# Altium PCB IOBoard2020.PcbDoc (part 1 of 2) (continued)
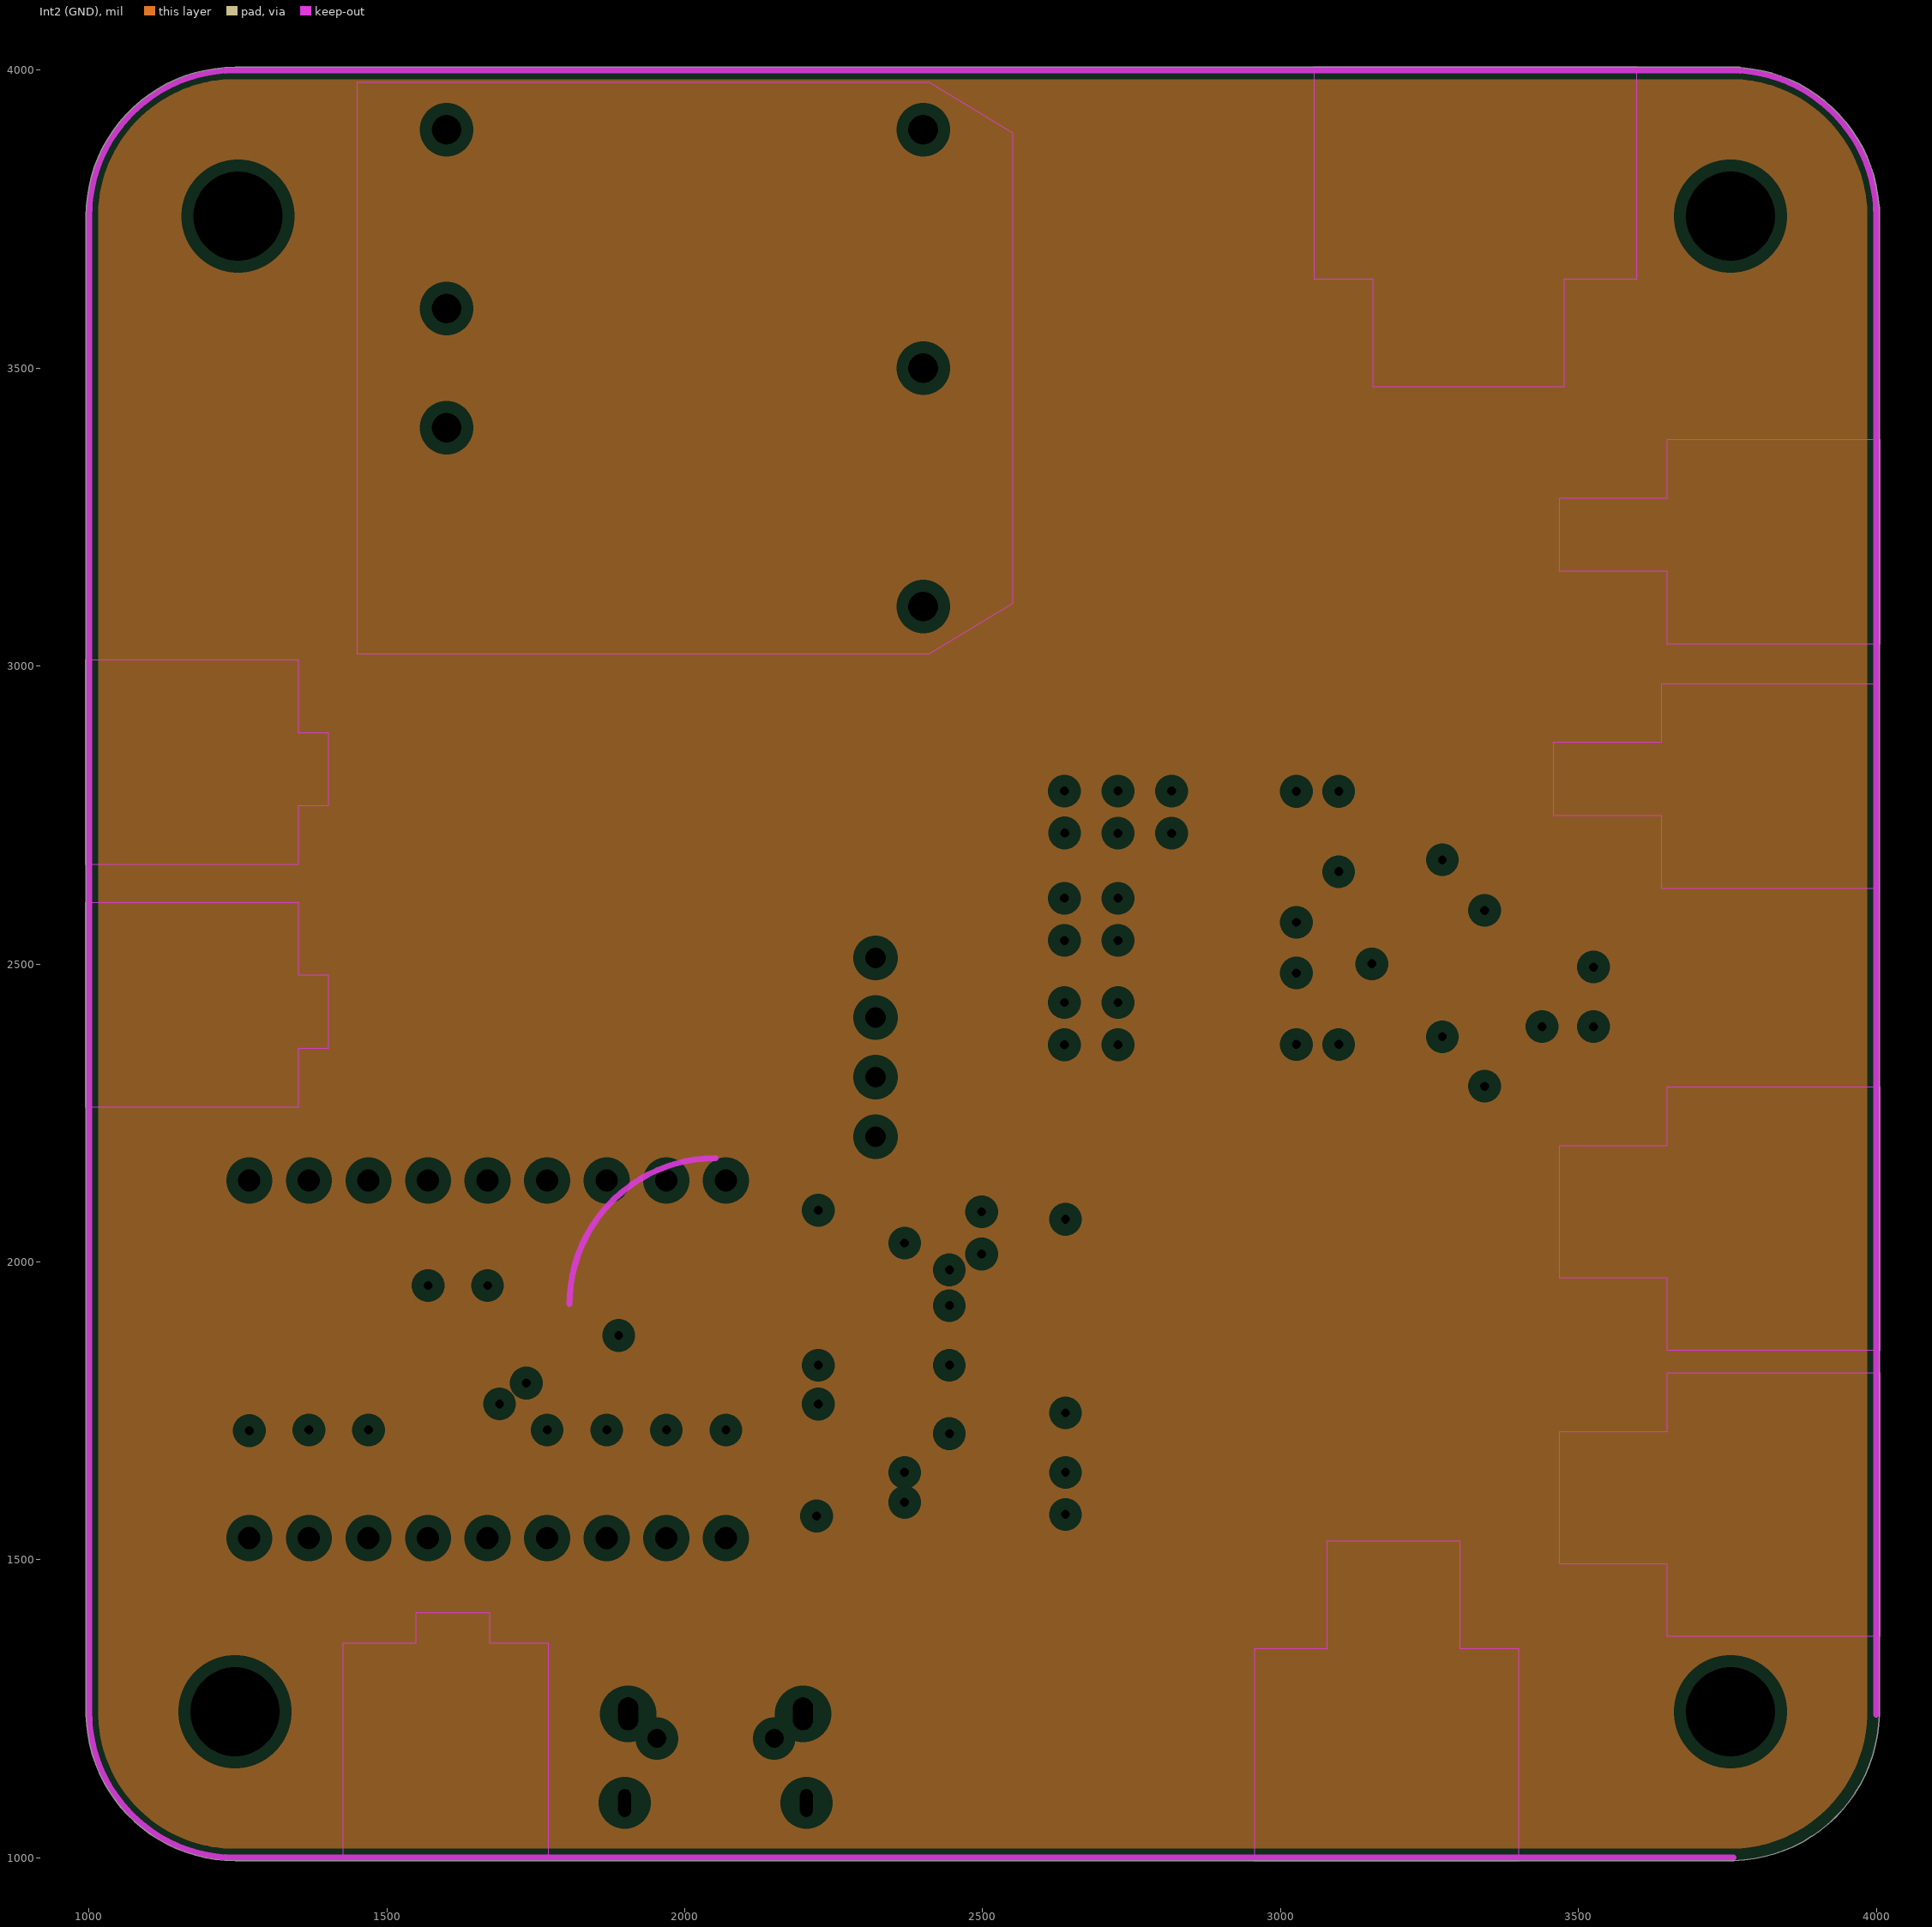
[diagram p3: Int2 (GND), clearances drawn from the general rule]

## Layer stack, top to bottom
Top Solder: solder mask 1, SM-001, Dk 4
Top Layer: signal copper 1.378
Dielectric 1: prepreg 5.1, PP-017, Dk 4.3
Dielectric 2: prepreg 5.1, PP-017, Dk 4.3
Int1 (PWR): plane copper 1.378
Dielectric 3: core 28, Core-039, Dk 4.8
Int2 (GND): plane copper 1.378
Dielectric 4: prepreg 5.1, PP-017, Dk 4.3
Dielectric 5: prepreg 5.1, PP-017, Dk 4.3
Bottom Layer: signal copper 1.378
Bottom Solder: solder mask 1, SM-001, Dk 4

## Board outline
995.05,1239.17 cw(c1000,1240) 994.98,1240 994.98,3754 cw(c1000,3754) 995.01,3754.5 cw(c1000,3755) 994.99,3755 cw(c1245,3755) 1245,4005.01 cw(c1245,4000) 1245.06,4005.01 3754.96,4005.01 3770,4005.01 cw(c3770,4000) 3772.39,4004.41 cw(c3755,3755) 4004.41,3772.39 cw(c4000,3770) 4005.01,3770 4005.01,3754.97 ccw(c4000,3755) 4005.01,3755 ccw(c3755,3755) 4005.01,3755.22 4005.01,3754.97 4005.01,1245.04 cw(c4000,1245) 4005.01,1245 cw(c3755,1245) 4005.01,1244.68 4005.01,1240 cw(c4000,1240) 4004.95,1239.18 cw(c3755,1245) 3760.82,995.05 cw(c3760,1000) 3760,994.98 1245,994.98 cw(c1245,1000) 1244.95,994.99 cw(c1245,1245)

## Design rules (kind name [scope] priority, off if disabled: settings)
Clearance [All] p1: gap=8 ignorepadtopadclearanceinfootprint=TRUE
DiffPairsRouting [All] p1: maxlimit=10 minlimit=10 mostfreqgap=10 toplayer_minwidth=10 toplayer_maxwidth=15 toplayer_prefwidth=10 bottomlayer_minwidth=10 bottomlayer_maxwidth=15 bottomlayer_prefwidth=10 maxuncoupledlength=500
HoleSize [All] p1: absolutevalues=TRUE maxlimit=250 minlimit=1 maxpercent=80.000 minpercent=20.000
PlaneClearance [All] p1: clearance=20
PlaneConnect [All] p1: planeconnectstyle=Direct reliefexpansion=20 reliefentries=4 reliefconductorwidth=10 reliefairgap=10
PolygonConnect [All] p1: connectstyle=Relief reliefconductorwidth=10 reliefentries=4 polygonreliefangle="90 Angle" airgapwidth=10
RoomDefinition uController [InComponentClass('uController')] p1: confinementstyle=ConfineIn formatcopy=TRUE lockcomponents=FALSE outline 1090,1244.91 3810,1244.91 3810,3120 1090,3120
RoomDefinition Sensors [InComponentClass('Sensors')] p2: confinementstyle=ConfineIn formatcopy=TRUE lockcomponents=FALSE outline 4109.48,3154.65 4109.48,464.65 5089.48,464.65 5089.48,3154.65
RoomDefinition U_PushButtons [InComponentClass('U_PushButtons')] p3: confinementstyle=ConfineIn formatcopy=TRUE lockcomponents=FALSE outline 310,4280 2310,4280 2310,5280 310,5280
RoomDefinition U_Power [InComponentClass('U_Power')] p4: confinementstyle=ConfineIn formatcopy=TRUE lockcomponents=FALSE outline 730,3010 3110,3010 3110,4050 730,4050
RoomDefinition Interlock [InComponentClass('Interlock')] p5: confinementstyle=ConfineIn formatcopy=TRUE lockcomponents=FALSE outline 1413.23,2230 2670,2230 2670,3002.11 1413.23,3002.11
RoutingVias [All] p1: holewidth=28 width=50 viastyle="Through Hole" minholewidth=28 minwidth=50 maxholewidth=28 maxwidth=50
SolderMaskExpansion [All] p1: expansion=4 istentingtop=FALSE
Width [All] p1: maxlimit=10 minlimit=10 preferedwidth=10
26 further rules are at their usual default settings.

## Classes and differential pairs
component class uController: C1 C2 C3 C4 C5 C6 C7 C8 C9 C10 C11 C12 C13 C14 C15 C16 C17 C18 C19 C20 C21 C22 DS1 IC1 R1 R2 R3 R4 R5 R6 R7 R8 R9 R10 R11 R12 R13 R14 R15 R16 R17 R18 R19 R20 R21 R22 S1 SJ1 SJ2 U1 U2 U3 Y1
component class U_PushButtons: C42 C43 R47 R48 SW1 SW2
component class U_Power: C37 C38 C39 C40 C41 F7 L1 LED2 LED3 LED4 P1 R44 R45 R46 U15
component class TopLevel: MH1 MH2 MH3 MH4
component class Sensors: C26 C27 C28 C29 C30 C31 C32 C33 C34 C35 C36 LED1 R34 R35 R36 R37 R38 R39 R40 R41 R42 R43 SJ3 SJ4 SJ5 SJ6 SJ7 SJ8 U4 U5 U6 U7 U8 U9 U10 U11 U12 U13 U14
component class Interlock: C23 C24 C25 IC2 IC3 IC4 K1 Q1 R23 R24 R25 R26 R27 R28 R29 R30
component class Connectors: F1 F2 F3 F4 F5 F6 J1 J2 J3 J4 J5 J6 J7 J8 J9 J10 J11 R31 R32 R33
differential pair CAN1: +CAN1_P -CAN1_N

## Components (designator, comment, footprint, x,y, rotation, side; value= is the part's Value field where it differs from the comment)
C1 "0.1µF" CAPC2013X145X50ML20T25 3062,2484.81 r0 bottom
C2 "0.1µF" CAPC2013X145X50ML20T25 3062,2789.81 r0 bottom
C3 "0.1µF" CAPC2013X145X50ML20T25 2727,2754.81 r90 bottom
C4 "0.1µF" CAPC2013X145X50ML20T25 2727,2399.81 r270 bottom
C5 "0.1µF" CAPC2013X145X50ML20T25 3062,2364.81 r0 bottom
C6 "0.1µF" CAPC2013X145X50ML20T25 2637,2574.81 r270 bottom
C7 "0.01µF" CAPC2013X145X50ML20T25 3625,2445.81 r90 top
C8 "1µF" CAPC2013X145X50ML20T25 3062,2569.81 r0 bottom
C9 "0.1µF" CAPC2013X145X50ML20T25 3062,2654.81 r180 bottom
C10 "1µF" CAPC2013X145X50ML20T25 3307,2589.81 r180 bottom
C11 "0.1µF" CAPC2013X145X50ML20T25 3307,2674.81 r0 bottom
C12 "0.1µF" CAPC2013X145X50ML20T25 2890,1874.57 r270 bottom
C13 "0.1µF" CAPC2013X145X50ML20T25 3307,2294.81 r0 bottom
C14 "0.1µF" CAPC2013X145X50ML20T25 3370,1885.43 r270 bottom
C15 "0.1µF" CAPC2013X145X50ML20T25 2637,2754.81 r90 bottom
C16 "4.7µF" CAPC2013X145X50ML20T25 3307,2377.81 r0 bottom
C17 "2.2µF" CAPC2013X145X50ML20T25 2727,2574.81 r90 bottom
C18 "2.2µF" CAPC2013X145X50ML20T25 2637,2399.81 r270 bottom
C19 "2.2µF" CAPC2013X145X50ML20T25 2817,2754.81 r90 bottom
C20 "0.1µF" CAPC2013X145X50ML20T25 3640,2996.24 r0 bottom
C21 "0.1µF" CAPC2013X145X50ML20T25 2498.18,2048.64 r90 bottom
C22 "0.1µF" CAPC2013X145X50ML20T25 2638.93,1611.52 r90 bottom
C23 "1µF" CAPC2013X145X50ML20T25 2230,2690 r270 bottom
C24 "0.1µF" CAPC2013X145X50ML20T25 2125.43,2900 r0 top
C25 "1µF" CAPC2013X145X50ML20T25 2300,2895.43 r270 top
C26 "0.1µF" CAPC2013X145X50ML20T25 3700,2294.57 r90 bottom
C27 "0.1µF" CAPC2013X145X50ML20T25 3770,2460 r180 top
C28 "0.1µF" CAPC2013X145X50ML20T25 3360,1680 r90 bottom
C29 "0.1µF" CAPC2013X145X50ML20T25 3520,1800 r180 bottom
C30 "0.1µF" CAPC2013X145X50ML20T25 3670,1870 r90 bottom
C31 "0.1µF" CAPC2013X145X50ML20T25 3850,2230 r0 bottom
C32 "0.1µF" CAPC2013X145X50ML20T25 3514.57,1220 r0 bottom
C33 "0.1µF" CAPC2013X145X50ML20T25 2574.57,1400 r0 bottom
C34 "0.1µF" CAPC2013X145X50ML20T25 3840,1680 r180 bottom
C35 "0.1µF" CAPC2013X145X50ML20T25 2824.57,1540 r0 bottom
C36 "0.1µF" CAPC2013X145X50ML20T25 2824.57,1400 r0 bottom
C37 "10uF" FP-CL32-IPC_C 1780,3508.24 r90 bottom
C38 "10uF" FP-CL32-IPC_C 2220,3260 r90 bottom
C39 "1µF" CAPC2013X145X50ML20T25 2690,3255.43 r90 top
C40 "1µF" CAPC2013X145X50ML20T25 2950,3350 r90 top
C41 "0.1µF" CAPC2013X145X50ML20T25 2950,3355.43 r270 bottom
C42 "0.1µF" CAPC2013X145X50ML20T25 1194.57,2420 r180 bottom
C43 "0.1µF" CAPC2013X145X50ML20T25 1460,2980 r90 bottom
DS1 "DC56-11EWA" DIPS1524W75P254L2500H825Q18N 2068.93,2136.52 r270 top
F1 "1.5A" FUSC1608X43N 2440,2280 r270 bottom
F2 "4A" 0466004.NR 1380,3230 r0 top
F3 "1.5A" FUSC1608X43N 3170,3772.48 r270 bottom
F4 "1.5A" FUSC1608X43N 3270,3772.48 r270 bottom
F5 "1.5A" FUSC1608X43N 3370,3772.48 r270 bottom
F6 "1.5A" FUSC1608X43N 3460,3772.48 r270 bottom
F7 "1.5A" FUSC1608X43N 2400,3232.48 r90 bottom
IC1 "STM32F469VGT6" QFP50P1600X1600X160-100N 2877,2574.81 r180 top
IC2 "TLP116A_TPL,E" SOT127P700X230-6N 1630,2730 r90 top
IC3 "TLP116A_TPL,E" SOT127P700X230-6N 1870,2730 r90 top
IC4 "SN74AUP1G74DCUR" SOT50P310X90-8N 2120.94,2770.16 r0 top
J1 "TSW-104-07-T-S" CON4_1X4_TU_TSW 2320,2360 r90 bottom
J2 "1054051104" 1054051104 3505.98,3269.61 r90 top
J3 "1054051104" 1054051104 3495.98,2859.61 r90 top
J4 "629105150521" 629105150521 2051.57,1127.17 r0 top
J5 "1054301102" 1054301102 1364.09,2370.39 r270 top
J6 "1054301102" 1054301102 1364.09,2777.56 r270 top
J7 "1054301102" 1054301102 1659.61,1374.09 r0 top
J8 "1054051108" 1054051108 3167.56,3505.98 r180 top
J9 "1054051106" 1054051106 3288.03,1494.02 r0 top
J10 "1054051106" 1054051106 3505.98,2182.44 r90 top
J11 "1054051106" 1054051106 3505.98,1702.44 r90 top
K1 "G3VM-101HR1" G3VM101HR1 1860,2410 r270 bottom
L1 "742792031" SMD-0805 2993.74,3500 r0 bottom
LED1 "LH R974-LP-1" 0805_A 3030,1790 r0 top
LED2 "LH R974-LP-1" 0805_A 2630,3810 r270 top
LED3 "150080BS75000" 0805_A 2790,3801.34 r270 top
LED4 "598-8170-107F" 0805_A 2940,3800 r270 top
MH1 "1/8\"-20" MOUNTING_HOLE#1 1150,1170 r0 top
MH2 "1/8\"-20" MOUNTING_HOLE#2 3850,1170 r0 top
MH3 "1/8\"-20" MOUNTING_HOLE#3 1250,3755 r0 top
MH4 "1/8\"-20" MOUNTING_HOLE#4 3305,3700 r0 top
P1 "BEI15-050-Q12N-C" BEI15-050-Q12N-C 2400,3500 r0 top
Q1 "SSM3K339R,LF" SOTFL95P240X88-3N 2130,2410 r180 bottom
R1 "10k" RESC2013X50X35ML15T15 1878,3201.34 r270 bottom
R2 "10k" RESC2013X50X35ML15T15 1230,3310 r180 bottom
R3 "120" RESC2013X50X35ML15T15 3410,3048.66 r270 bottom
R4 "10k" RESC2013X50X35ML15T15 1748,3200 r90 bottom
R5 "10k" RESC2013X50X35ML15T15 1230,3170 r0 bottom
R6 "100k" RESC2013X50X35ML15T15 3850,2871.34 r270 bottom
R7 "240" RESC2013X50X35ML15T15 1868.93,1676.52 r90 bottom
R8 "240" RESC2013X50X35ML15T15 1768.93,1676.52 r90 bottom
R9 "240" RESC2013X50X35ML15T15 1868.93,2001.52 r270 bottom
R10 "240" RESC2013X50X35ML15T15 1968.93,2001.52 r270 bottom
R11 "240" RESC2013X50X35ML15T15 2068.93,2001.52 r270 bottom
R12 "240" RESC2013X50X35ML15T15 2068.93,1676.52 r90 bottom
R13 "240" RESC2013X50X35ML15T15 1968.93,1676.52 r90 bottom
R14 "240" RESC2013X50X35ML15T15 1768.93,2001.52 r270 bottom
R15 "240" RESC2013X50X35ML15T15 1368.93,1676.52 r90 bottom
R16 "240" RESC2013X50X35ML15T15 1268.93,1676.52 r90 bottom
R17 "240" RESC2013X50X35ML15T15 1368.93,2001.52 r270 bottom
R18 "240" RESC2013X50X35ML15T15 1568.93,2001.52 r270 bottom
R19 "240" RESC2013X50X35ML15T15 1668.93,2001.52 r270 bottom
R20 "240" RESC2013X50X35ML15T15 1468.93,1676.52 r90 bottom
R21 "240" RESC2013X50X35ML15T15 1468.93,2001.52 r270 bottom
R22 "240" RESC2013X50X35ML15T15 1268.93,2001.52 r270 bottom
R23 "1.2k" RESC2013X50X35ML15T15 1541.34,2470 r0 top
R24 "240" RESC2013X50X35ML15T15 2090,2631.34 r270 bottom
R25 "10k" RESC2013X50X35ML15T15 2340,2730 r0 top
R26 "10k" RESC2013X50X35ML15T15 2380,2690 r90 bottom
R27 "165" RESC2013X50X35ML15T15 2180,2588.66 r270 top
R28 "1.2k" RESC2013X50X35ML15T15 1860,2430 r90 top
R29 "10k" RESC2013X50X35ML15T15 2440,2898.66 r90 top
R30 "10k" RESC2013X50X35ML15T15 2341.34,2860 r0 bottom
R31 "1.5k" RESC2013X50X35ML15T15 2270,1401.34 r270 bottom
R32 "22" RESC0805(2012)_L 2120,1350 r270 bottom
R33 "22" RESC2013X50X35ML15T15 1990,1368.66 r270 bottom
R34 "5k" RESC2013X50X35ML15T15 3300,1950 r180 top
R35 "10k" RESC2013X50X35ML15T15 3300,2090 r180 top
R36 "5k" RESC2013X50X35ML15T15 3300,1650 r180 top
R37 "10k" RESC2013X50X35ML15T15 3300,1790 r180 top
R38 "75" RESC2013X50X35ML15T15 3028.66,1910 r0 top
R39 "EVM3YSX50B13" POT_EVM3Y_PAN 2570,1188.5 r180 top
R40 "10k" RESC2013X50X35ML15T15 3080,1190 r270 bottom
R41 "10k" RESC2013X50X35ML15T15 3028.66,1670 r180 top
R42 "EVM3YSX50B13" POT_EVM3Y_PAN 2820,1190 r180 top
R43 "10k" RESC2013X50X35ML15T15 3230,1188.66 r270 bottom
R44 "1k" RESC2013X50X35ML15T15 2640,3550 r90 top
R45 "100" RESC2013X50X35ML15T15 2790,3550 r270 top
R46 "75" RESC2013X50X35ML15T15 2940,3550 r90 top
R47 "100k" RESC2013X50X35ML15T15 1170,3060 r0 bottom
R48 "100k" RESC2013X50X35ML15T15 2110,3050 r0 bottom
S1 "KMR221GLFS" SW_KMR221GLFS 3820,3126.24 r270 bottom
SJ1 "3-Way SJ" "3-Way SJ" 1848,3285 r90 bottom
SJ2 "3-Way SJ" "3-Way SJ" 1455,3280 r180 bottom
SJ3 "3-Way SJ" "3-Way SJ" 3590,2075 r90 bottom
SJ4 "3-Way SJ" "3-Way SJ" 3898,2275 r90 bottom
SJ5 "3-Way SJ" "3-Way SJ" 3570,1525 r90 bottom
SJ6 "3-Way SJ" "3-Way SJ" 3560,1975 r90 bottom
SJ7 "3-Way SJ" "3-Way SJ" 3850,1715 r90 bottom
SJ8 "3-Way SJ" "3-Way SJ" 3490,1535 r270 bottom
SW1 "FSM4JSMA" TE_FSM4JSMA 2620,2040 r180 top
SW2 "FSM4JSMA" TE_FSM4JSMA 2620,1740 r0 top
U1 "TJA1051T/3,118" NXP-SOIC-8_L 3190,3050 r0 bottom
U2 "74HC595PW-Q100,118" FP-SOT403-1-MFG 2413.93,1991.52 r0 bottom
U3 "74HC595PW-Q100,118" FP-SOT403-1-MFG 2413.93,1666.52 r0 bottom
U4 "SN74LV1T34DCKR" DCK0005A_L 3539.65,2235.59 r0 bottom
U5 "SN74LV1T34DCKR" DCK0005A_L 3850.35,2450 r0 bottom
U6 "SN74LV1T34DCKR" DCK0005A_L 3520,1680 r0 bottom
U7 "SN74LV1T34DCKR" DCK0005A_L 3520,1920 r0 bottom
U8 "SN74LV1T34DCKR" DCK0005A_L 3799.65,1894.41 r0 bottom
U9 "MCP3202-CI/SN" SOIC-SN8_L 3780,2060 r180 bottom
U10 "SN74LV1T34DCKR" DCK0005A_L 3530,1360 r180 bottom
U11 "MCP3202-CI/SN" SOIC-SN8_L 3790,1500 r180 bottom
U12 "LMV321SN3T1G" ONSC-TSOP-5-483-02_V 2570,1250 r180 bottom
U13 "SN74LVC1G02DBVR" FP-DBV0005A-MFG 2850,1470 r0 top
U14 "LMV321SN3T1G" ONSC-TSOP-5-483-02_V 2820,1250 r180 bottom
U15 "AZ1117EH-3.3TRG1" FP-SOT223-MFG 2710,3300 r0 bottom
Y1 "ASFL1-8.000MHZ-EK-T" FP-ASFL1-MFG 3482,2445.81 r90 top

## Footprints (in the part's own frame and the unit in brackets; to place one, negate y for a bottom-side part, rotate by r counter-clockwise, add the part's x,y. Pads: shape width x height; smd on the part's side, far side on the other; paste and mask are expansions set on the pad)
"3-Way SJ" [mm]
  rect 0.2x0.2 smd: 1(1.397,0) 2(1.397,-1.27) 3(1.397,-2.286)
  Top Layer region: 0.889,0.381 0.889,-0.203 1.397,-0.711 1.905,-0.203 1.905,0.381
  Top Layer pour cut-out: 0.635,0.508
  Top Layer pour cut-out: 0.889,-0.508
  Top Layer region: 0.889,-0.508
  Top Layer region: 0.889,-0.508 0.889,-1.27 1.397,-1.778 1.905,-1.27 1.905,-0.508 1.397,-1.016
  Top Layer region: 0.889,-1.575 0.889,-2.667 1.905,-2.667 1.905,-1.575 1.397,-2.083
0805_A [mm] "Chip LED, 2-Leads, Body 2.0x1.3mm, IPC Medium Density"
  rect 1.1x1.2 smd: 1(-1.05,0) 2(1.05,0)
  silkscreen extent -0.15,-0.5 0.15,0.5, body extent -1,-0.62 1,0.62, height 0.68
0466004.NR [mil] "FUSE BOARD MNT 4A 32VAC/VDC 1206"
  rect 80x65 smd: 1(0,0) 2(0,-125)
  body extent -30,-125 30,0, height 23
1054051104 [mm] "Nano-Fit Right-Angle Header, Surface Mount, 2.50mm Pitch, Dual Row, 4 Circuits, 0.76µm Tin (Sn) Plating, Black, Glow-Wire Capable"
  rect 1.24x2.5 smd: 1(0,0) 2(-2.5,0) 3(0,-3.3) 4(-2.5,-3.3)
  rect 1.1x8.2 smd: ""(-5.07,-8.23) ""(1.97,-8.23)
  Keep-Out Layer region: 2.82,-12.7 -5.92,-12.7 -5.92,-3.64 -2.82,-3.64 -2.82,0.95 0.32,0.95 0.32,-3.64 2.82,-3.64
  silkscreen extent -5.92,-13 2.82,-3.64, body extent -5.9,-14.17 2.84,0.57, height 9.5
1054051106 [mm] "Nano-Fit Right-Angle Header, Surface Mount, 2.50mm Pitch, Dual Row, 6 Circuits, 0.76µm Tin (Sn) Plating, Black, Glow-Wire Capable"
  rect 1.24x2.5 smd: 1(0,0) 2(-2.5,0) 3(-5,0) 4(0,-3.3) 5(-2.5,-3.3) 6(-5,-3.3)
  rect 1.1x8.2 smd: ""(-7.57,-8.23) ""(1.97,-8.23)
  Keep-Out Layer region: 2.82,-12.7 -8.42,-12.7 -8.42,-3.64 -5.32,-3.64 -5.32,0.95 0.32,0.95 0.32,-3.64 2.82,-3.64
  silkscreen extent -8.42,-13 2.82,-3.64, body extent -8.42,-14.17 2.82,0.57, height 9.5
1054051108 [mm] "Nano-Fit Right-Angle Header, Surface Mount, 2.50mm Pitch, Dual Row, 8 Circuits, 0.76µm Tin (Sn) Plating, Black, Glow-Wire Capable"
  rect 1.24x2.5 smd: 1(0,0) 2(-2.5,0) 3(-5,0) 4(-7.5,0) 5(0,-3.3) 6(-2.5,-3.3) 7(-5,-3.3) 8(-7.5,-3.3)
  rect 1.1x8.2 smd: ""(-10.07,-8.23) ""(1.97,-8.23)
  Keep-Out Layer region: 2.82,-12.7 -10.92,-12.7 -10.92,-3.64 -7.82,-3.64 -7.82,0.95 0.32,0.95 0.32,-3.64 2.82,-3.64
  silkscreen extent -10.92,-13 2.82,-3.64, body extent -10.91,-14.17 2.83,0.57, height 9.5
1054301102 [mm] "Nano-Fit Right-Angle Header, Surface Mount, 2.50mm Pitch, Single Row, 2 Circuits, 0.76µm Tin (Sn) Plating, Black, Glow-Wire Capable"
  rect 1.24x2.5 smd: 1(0,0) 2(-2.5,0)
  rect 1.1x8.2 smd: ""(-5.07,-4.93) ""(1.97,-4.93)
  Keep-Out Layer region: 2.82,-9.4 -5.92,-9.4 -5.92,-0.34 -2.82,-0.34 -2.82,0.95 0.32,0.95 0.32,-0.34 2.82,-0.34
  silkscreen extent -5.92,-9.7 2.82,-0.34, body extent -5.92,-10.87 2.82,0.56, height 6.95
629105150521 [mm] "Micro USB 2.0 SMT Type B Horizontal 5 Contacts High Current"
  rect 0.45x1.3 smd: 1(-1.3,2.9) 2(-0.65,2.9) 3(0,2.9) 4(0.65,2.9) 5(1.3,2.9)
  round 0.8 hole 0.8 unplated: MH1(-2.5,1.85) MH2(2.5,1.85)
  oval 1.15x1.8 hole 0.55 slot 1.2 at 90 deg: Shell(-3.875,-0.9) Shell(3.875,-0.9)
  oval 1.45x2 hole 0.85 slot 1.4 at 90 deg: Shell(-3.725,2.9) Shell(3.725,2.9)
  silkscreen extent -4,0.3 4,3.3, body extent -4,-3.3 4,3.3, height 2.75
BEI15-050-Q12N-C [mil] "Isolated Module DC DC Converter 2 Output 5V -5V 1.5A, 1.5A 9V - 36V Input"
  round 100 hole 50: 1(-800,-100) 2(-800,100) 3(-800,400) 4(0,400) 5(0,0) 6(0,-400)
  Keep-Out Layer region: -950,480 10,480 150,395 150,-395 10,-480 -950,-480
  silkscreen extent -950,-480 150,480, body extent -950,-480 150,480, height 316
CAPC2013X145X50ML20T25 [mm] "Chip Capacitor, 2-Leads, Body 2.2x1.45mm, IPC Low Density"
  rect 1.5x1.55 smd: 1(-0.9,0) 2(0.9,0)
  body extent -1.1,-0.72 1.1,0.73, height 1.45
CON4_1X4_TU_TSW [mil]
  round 55 hole 35: 1(-150,0) 2(-50,0) 3(50,0) 4(150,0)
  silkscreen extent -215,-90 215,55, body extent -200,-50 200,50, height 500
DCK0005A_L [mm] "SOT23, 5-Leads, Body 2.15x1.4mm, Pitch 0.65mm, IPC High Density"
  rrect25% 0.65x0.4 smd: 1(-1.025,0.65) 2(-1.025,0) 3(-1.025,-0.65) 4(1.025,-0.65) 5(1.025,0.65)
  silkscreen extent -1.15,-1.1 0.3,1.52, body extent -1.14,-1 1.14,1, height 0.94
DIPS1524W75P254L2500H825Q18N [mm]
  rect 1.425x1.425 hole 0.95: 1(0,0)
  round 1.425 hole 0.95: 2(0,-2.54) 3(0,-5.08) 4(0,-7.62) 5(0,-10.16) 6(0,-12.7) 7(0,-15.24) 8(0,-17.78) 9(0,-20.32) 10(15.24,-20.32) 11(15.24,-17.78) 12(15.24,-15.24) 13(15.24,-12.7) 14(15.24,-10.16) 15(15.24,-7.62) 16(15.24,-5.08) 17(15.24,-2.54) 18(15.24,0)
  silkscreen extent -2.03,-22.78 17.27,2.46, body extent -2.03,-22.78 19.41,2.46, height 8
FP-ASFL1-MFG [mm]
  rect 1.7x1.5 smd: 1(-1.27,-1.1) 2(1.27,-1.1) 3(1.27,1.1) 4(-1.27,1.1)
  silkscreen extent -3.32,-1.7 2.6,1.7, body extent -2.7,-1.95 2.7,1.95, height 0.25
FP-CL32-IPC_C [mil]
  rect 57.19x106.46 smd paste+0 mask+0: 1(-48.24,0) 2(48.24,0)
  silkscreen extent -8,-55 8,55, body extent -63,-49 63,49, height 110
FP-DBV0005A-MFG [mm]
  rrect17% 1.1x0.6 smd: 1(-1.3,0.95) 2(-1.3,0) 3(-1.3,-0.95) 4(1.3,-0.95) 5(1.3,0.95)
  silkscreen extent -2.55,-1.53 0.87,1.52, body extent -1.4,-1.45 1.4,1.45, height 1.45
FP-SOT223-MFG [mm]
  rect 1.6x1.2 smd paste+0 mask+0: 1(-3.2,2.3) 2(-3.2,0) 3(-3.2,-2.3)
  rect 1.6x3.3 smd paste+0 mask+0: 4(3.2,0)
  silkscreen extent -4.67,-3.27 1.78,3.27, body extent -3.5,-3.25 3.5,3.25, height 1.8
FP-SOT403-1-MFG [mm]
  rect 1.35x0.6 smd: 1(-2.925,2.375) 8(-2.925,-2.375) 9(2.925,-2.375) 16(2.925,2.375)
  rect 1.35x0.4 smd: 2(-2.925,1.625) 3(-2.925,0.975) 4(-2.925,0.325) 5(-2.925,-0.325) 6(-2.925,-0.975) 7(-2.925,-1.625) 10(2.925,-1.625) 11(2.925,-0.975) 12(2.925,-0.325) 13(2.925,0.325) 14(2.925,0.975) 15(2.925,1.625)
  silkscreen extent -4.3,-2.55 1.88,2.55, body extent -3.2,-2.5 3.2,2.5, height 1.11
FUSC1608X43N [mm]
  rect 0.78x0.93 smd: 1(-0.825,0) 2(0.825,0)
  silkscreen extent 0,-0.31 0,0.31, body extent -0.8,-0.41 0.8,0.41, height 0.43
G3VM101HR1 [mm]
  rect 0.8x1.2 smd: 1(-2.54,-3.075) 2(0,-3.075) 3(2.54,-3.075) 4(2.54,3.075) 5(0,3.075) 6(-2.54,3.075)
  silkscreen extent -3.15,-4.25 3.15,2.2, body extent -3.3,-3.5 3.3,3.5, height 2.1
MOUNTING_HOLE#1 [mil] "Mounting Hole for 1/4\"-20 Thread Size, 1-1/8\" Long Black-Oxide Alloy Steel Socket Head Screw"
  round 250 hole 150: 1(95,75)
MOUNTING_HOLE#2 [mil] "Mounting Hole for 1/4\"-20 Thread Size, 1-1/8\" Long Black-Oxide Alloy Steel Socket Head Screw"
  round 250 hole 150: 1(-95,75)
MOUNTING_HOLE#3 [mil] "Mounting Hole for 1/4\"-20 Thread Size, 1-1/8\" Long Black-Oxide Alloy Steel Socket Head Screw"
  round 250 hole 150: 1(0,0)
MOUNTING_HOLE#4 [mil] "Mounting Hole for 1/4\"-20 Thread Size, 1-1/8\" Long Black-Oxide Alloy Steel Socket Head Screw"
  round 250 hole 150: 1(450,55)
NXP-SOIC-8_L [mm] "SOIC, 8-Leads, Body 5x4mm, Pitch 1.27mm, IPC High Density"
  oval 1.25x0.55 smd: 1(-2.625,1.905) 2(-2.625,0.635) 3(-2.625,-0.635) 4(-2.625,-1.905) 5(2.625,-1.905) 6(2.625,-0.635) 7(2.625,0.635) 8(2.625,1.905)
  silkscreen extent -2.75,-2.5 1.6,2.85, body extent -3,-2.5 3,2.5, height 1.75
ONSC-TSOP-5-483-02_V [mm] "SOP, 5-Leads, Body 3x1.5mm, Pitch 0.95mm"
  rect 1x0.7 smd: 1(-1.2,0.95) 2(-1.2,0) 3(-1.2,-0.95) 4(1.2,-0.95) 5(1.2,0.95)
  silkscreen extent -1.33,-1.5 0.3,1.97, body extent -0.75,-1.5 0.75,1.5, height 1.1
POT_EVM3Y_PAN [mil]
  rect 35x52 smd: 1(-37.5,-54) 3(37.5,-54)
  rect 47x63 smd: 2(0,48.5)
  silkscreen extent -66,-129 66,79, body extent 0,0 10,10, height 10
QFP50P1600X1600X160-100N [mm]
  rect 1.475x0.3 smd: 1(-7.738,6) 2(-7.738,5.5) 3(-7.738,5) 4(-7.738,4.5) 5(-7.738,4) 6(-7.738,3.5) 7(-7.738,3) 8(-7.738,2.5) 9(-7.738,2) 10(-7.738,1.5) 11(-7.738,1) 12(-7.738,0.5) 13(-7.738,0) 14(-7.738,-0.5) 15(-7.738,-1) 16(-7.738,-1.5) 17(-7.738,-2) 18(-7.738,-2.5) 19(-7.738,-3) 20(-7.738,-3.5) 21(-7.738,-4) 22(-7.738,-4.5) 23(-7.738,-5) 24(-7.738,-5.5) 25(-7.738,-6) 51(7.738,-6) 52(7.738,-5.5) 53(7.738,-5) 54(7.738,-4.5) 55(7.738,-4) 56(7.738,-3.5) 57(7.738,-3) 58(7.738,-2.5) 59(7.738,-2) 60(7.738,-1.5) 61(7.738,-1) 62(7.738,-0.5) 63(7.738,0) 64(7.738,0.5) 65(7.738,1) 66(7.738,1.5) 67(7.738,2) 68(7.738,2.5) 69(7.738,3) 70(7.738,3.5) 71(7.738,4) 72(7.738,4.5) 73(7.738,5) 74(7.738,5.5) 75(7.738,6)
  rect 0.3x1.475 smd: 26(-6,-7.738) 27(-5.5,-7.738) 28(-5,-7.738) 29(-4.5,-7.738) 30(-4,-7.738) 31(-3.5,-7.738) 32(-3,-7.738) 33(-2.5,-7.738) 34(-2,-7.738) 35(-1.5,-7.738) 36(-1,-7.738) 37(-0.5,-7.738) 38(0,-7.738) 39(0.5,-7.738) 40(1,-7.738) 41(1.5,-7.738) 42(2,-7.738) 43(2.5,-7.738) 44(3,-7.738) 45(3.5,-7.738) 46(4,-7.738) 47(4.5,-7.738) 48(5,-7.738) 49(5.5,-7.738) 50(6,-7.738) 76(6,7.738) 77(5.5,7.738) 78(5,7.738) 79(4.5,7.738) 80(4,7.738) 81(3.5,7.738) 82(3,7.738) 83(2.5,7.738) 84(2,7.738) 85(1.5,7.738) 86(1,7.738) 87(0.5,7.738) 88(0,7.738) 89(-0.5,7.738) 90(-1,7.738) 91(-1.5,7.738) 92(-2,7.738) 93(-2.5,7.738) 94(-3,7.738) 95(-3.5,7.738) 96(-4,7.738) 97(-4.5,7.738) 98(-5,7.738) 99(-5.5,7.738) 100(-6,7.738)
  silkscreen extent -8.35,-6.65 6.65,6.87, body extent -8,-8 8,8, height 1.6
RESC0805(2012)_L [mm] "Chip Resistor, Body 2.0x1.3mm, IPC High Density"
  rect 0.85x1.3 smd: 1(-0.85,0) 2(0.85,0)
  silkscreen extent -0.05,-0.55 0.05,0.55, body extent -1.1,-0.67 1.1,0.68, height 0.7
RESC2013X50X35ML15T15 [mm] "Chip Resistor, 2-Leads, Body 2.2x1.4mm, IPC Low Density"
  rect 1.2x1.5 smd: 1(-1.05,0) 2(1.05,0)
  silkscreen extent -0.05,-0.65 0.05,0.65, body extent -1.1,-0.7 1.1,0.7, height 0.5
SMD-0805 [mm] "Chip Inductor, 2-Leads, Body 2.0x1.2mm"
  rect 1.15x1 smd: 1(-1.175,0) 2(1.175,0)
  body extent -1,-0.6 1,0.6, height 0.89
SOIC-SN8_L [mm] "SOIC, 8-Leads, Body 4.9x3.9mm, Pitch 1.27mm, IPC High Density"
  oval 1.9x0.6 smd: 1(-2.35,1.905) 2(-2.35,0.635) 3(-2.35,-0.635) 4(-2.35,-1.905) 5(2.35,-1.905) 6(2.35,-0.635) 7(2.35,0.635) 8(2.35,1.905)
  silkscreen extent -2.48,-2.5 1,2.88, body extent -2,-2.5 2,2.5, height 1.75
SOT50P310X90-8N [mm]
  rect 0.95x0.3 smd: 1(-1.5,0.75) 2(-1.5,0.25) 3(-1.5,-0.25) 4(-1.5,-0.75) 5(1.5,-0.75) 6(1.5,-0.25) 7(1.5,0.25) 8(1.5,0.75)
  silkscreen extent -1.97,-1 0.67,1.25, body extent -1.55,-1 1.55,1, height 0.9
SOT127P700X230-6N [mm]
  rect 1.4x0.6 smd: 1(-3.35,1.27) 2(-3.35,0) 3(-3.35,-1.27) 4(3.35,-1.27) 5(3.35,0) 6(3.35,1.27)
  silkscreen extent -4.05,-1.85 2.27,1.92, body extent -3.5,-1.85 3.5,1.85, height 2.3
SOTFL95P240X88-3N [mm]
  rect 0.575x0.62 smd: 1(-1.188,0.95) 2(-1.188,-0.95) 3(1.188,0)
  silkscreen extent -1.48,-1.45 0.55,1.51, body extent -1.2,-1.45 1.2,1.45, height 0.88
SW_KMR221GLFS [mm]
  rect 0.9x1 smd: 1(-2.05,0.8) 2(-2.05,-0.8) 3(2.05,-0.8) 4(2.05,0.8)
  rect 1.7x0.55 smd: 5(0,1.425)
  silkscreen extent -1.2,-1.4 1.2,-1.4, body extent -2.3,-1.4 2.3,1.4, height 1.85
TE_FSM4JSMA [mm]
  rrect15% 2.1x1.38 smd: 1(-4.55,2.24) 2(4.55,2.24) 3(-4.55,-2.24) 4(4.55,-2.24)
  silkscreen extent -6.25,-3 3,3, body extent -5,-3 5,3, height 4.98

## Part data
C1 C2 C3 C4 C5 C6 C9 C11 C12 C13 C14 C15 C20 C21 C22 C26 C27 C28 C29 C30 C31 C32 C33 C34 C35 C36 C41 C42 C43: library part CMP-001-00010-4, "Chip Capacitor, 0.1 uF, +/-10%, 25 V, 0805 (2012 Metric)", Capacitance=100nF, Case/Package=0805, Dielectric=X7R, Dielectric Material=Ceramic, Manufacturer=KEMET, Manufacturer Part Number=C0805C104K3RACTU, Max Operating Temperature=125°C, Min Operating Temperature=-55°C, Supplier Part Number 1=399-1168-1-ND, Tolerance=10%, Voltage=25V, Category="Ceramic Capacitors", ComponentLink1Description=https://datasheet.ciiva.com/18193/getdatasheetpartid-385649-18193413.pdf?src-supplier=Verical, ComponentLink1URL=https://datasheet.ciiva.com/18193/getdatasheetpartid-385649-18193413.pdf?src-supplier=Verical, ComponentLink2Description=https://datasheet.ciiva.com/7842/kem-c1002-x7r-smd-7842536.pdf?src-supplier=Element14, ComponentLink2URL=https://datasheet.ciiva.com/7842/kem-c1002-x7r-smd-7842536.pdf?src-supplier=Element14, ComponentLink3Description=https://datasheet.ciiva.com/7842/kem-c1002-x7r-smd-7842538.pdf?src-supplier=Element14, ComponentLink3URL=https://datasheet.ciiva.com/7842/kem-c1002-x7r-smd-7842538.pdf?src-supplier=Element14, Depth=1.25mm, Height=0.9mm, Length=2mm, Mount="Surface Mount", Packaging="Tape and Reel", Pricing 1="1=0.14000, 10=0.10000, 50=0.05660, 100=0.04680, 500=0.03284, 1000=0.02719 (USD)", Radiation Hardening=No, RoHS=Yes, Stock 1=417116, Supplier 1=Digi-Key, Termination=SMD/SMT
C7: library part CMP-001-00010-4, "Chip Capacitor, 0.01 uF, +/-10%, 25 V, 0805 (2012 Metric)", Capacitance=10nF, Case Code (Imperial)=0805, Case Code (Metric)=2012, Dielectric=X7R, Dielectric Material=Ceramic, Manufacturer=KEMET, Manufacturer Part Number=C0805C103K3RACTU, Max Operating Temperature=125°C, Min Operating Temperature=-55°C, Package Quantity=1, Supplier Part Number 1=399-7994-1-ND, Tolerance=10%, Voltage Rating=25V, Case/Package=0805, Category="Ceramic Capacitors", ComponentLink1Description=http://www.jameco.com/Jameco/Products/ProdDS/1637716.pdf?src-supplier=Jameco, ComponentLink1URL=http://www.jameco.com/Jameco/Products/ProdDS/1637716.pdf?src-supplier=Jameco, ComponentLink2Description=http://www.farnell.com/datasheets/2746089.pdf?src-supplier=Farnell, ComponentLink2URL=http://www.farnell.com/datasheets/2746089.pdf?src-supplier=Farnell, ComponentLink3Description=https://www.verical.com/server-webapp/html/getDatasheet?partID=697850&src-supplier=Verical, ComponentLink3URL=https://www.verical.com/server-webapp/html/getDatasheet?partID=697850&src-supplier=Verical, ComponentLink4Description=http://components.arrow.com/part/dataview/0323_00325063?src-supplier=Arrow+Europe, ComponentLink4URL=http://components.arrow.com/part/dataview/0323_00325063?src-supplier=Arrow+Europe, ComponentLink5Description=http://www.farnell.com/datasheets/2315422.pdf?src-supplier=Farnell, ComponentLink5URL=http://www.farnell.com/datasheets/2315422.pdf?src-supplier=Farnell, ComponentLink6Description=http://www.mouser.com/ds/2/212/KEM_C1002_X7R_SMD-1102033.pdf?src-supplier=Mouser, ComponentLink6URL=http://www.mouser.com/ds/2/212/KEM_C1002_X7R_SMD-1102033.pdf?src-supplier=Mouser, ComponentLink7Description=http://components.arrow.com/part/dataview/2091057S98063N7429?src-supplier=Arrow+Electronics, ComponentLink7URL=http://components.arrow.com/part/dataview/2091057S98063N7429?src-supplier=Arrow+Electronics, ComponentLink8Description=https://api.kemet.com/component-edge/download/datasheet/C0805C103K3RACTU.pdf?src-supplier=Digi-Key, ComponentLink8URL=https://api.kemet.com/component-edge/download/datasheet/C0805C103K3RACTU.pdf?src-supplier=Digi-Key, ComponentLink9Description=http://capacitoredge.kemet.com/capedge2/DataSheet?pn=C0805C103K3RACTU&src-supplier=Avnet, ComponentLink9URL=http://capacitoredge.kemet.com/capedge2/DataSheet?pn=C0805C103K3RACTU&src-supplier=Avnet, ComponentLink10Description=https://search.kemet.com/component-edge/download/datasheet/C0805C103K3RACTU.pdf?src-supplier=Digi-Key, ComponentLink10URL=https://search.kemet.com/component-edge/download/datasheet/C0805C103K3RACTU.pdf?src-supplier=Digi-Key, ComponentLink11Description=http://www.farnell.com/datasheets/2746089.pdf?src-supplier=Newark, ComponentLink11URL=http://www.farnell.com/datasheets/2746089.pdf?src-supplier=Newark, ComponentLink12Description=http://www.farnell.com/datasheets/2064982.pdf?src-supplier=Element14, ComponentLink12URL=http://www.farnell.com/datasheets/2064982.pdf?src-supplier=Element14, Depth=1.25mm, Dissipation Factor=3.5%, Height=0.78mm, Lead Pitch=0.75mm, Length=2mm, Mount="Surface Mount", Packaging="Tape and Reel", Pricing 1="1=0.15000, 10=0.11000, 50=0.06220, 100=0.05160, 500=0.03616, 1000=0.02994 (USD)", Radiation Hardening=No, REACH SVHC="No SVHC", RoHS=Yes, Stock 1=50651, Supplier 1=Digi-Key, Termination=SMD/SMT, Thickness=0.035inch, Voltage Rating (DC)=25V, Width=0.049inch
C8 C10 C39 C40: library part CMP-001-00010-4, "Chip Capacitor, 1 uF, +/-10%, 25 V, 0805 (2012 Metric)", Capacitance=1uF, Case Code (Imperial)=0805, Case Code (Metric)=2012, Dielectric=X7R, Dielectric Material=Ceramic, Manufacturer=KEMET, Manufacturer Part Number=C0805C105K3RACTU, Max Operating Temperature=125°C, Min Operating Temperature=-55°C, Package Quantity=1, Supplier Part Number 1=399-8004-1-ND, Tolerance=10%, Voltage=25V, Case/Package=0805, Category="Ceramic Capacitors", ComponentLink1Description=https://datasheet.ciiva.com/6074/kem-c1002-x7r-smd-6074661.pdf?src-supplier=Farnell, ComponentLink1URL=https://datasheet.ciiva.com/6074/kem-c1002-x7r-smd-6074661.pdf?src-supplier=Farnell, ComponentLink2Description=https://datasheet.ciiva.com/28610/1918693-28610874.pdf?src-supplier=Element14, ComponentLink2URL=https://datasheet.ciiva.com/28610/1918693-28610874.pdf?src-supplier=Element14, Contact Plating=Tin,Matte, Depth=1.25mm, Height=1.25mm, Length=2mm, Mount="Surface Mount", Number of Pins=2, Packaging="Tape and Reel", Pricing 1="1=0.14000, 10=0.10100, 50=0.05720, 100=0.04740, 500=0.03322, 1000=0.02750 (USD)", Radiation Hardening=No, REACH SVHC="No SVHC", RoHS=Yes, Stock 1=360844, Supplier 1=Digi-Key, Termination=SMD/SMT, Thickness=0.055inch, Voltage Rating=25V, Voltage Rating (DC)=25V, Width=0.049inch
C16: library part CMP-001-00010-4, "Chip Capacitor, 4.7 uF, +/-10%, 25 V, 0805 (2012 Metric)", Capacitance=4.7uF, Case/Package=0805, Dielectric=X5R, Dielectric Material=Ceramic, Manufacturer=KEMET, Manufacturer Part Number=C0805C475K3PACTU, Max Operating Temperature=85°C, Min Operating Temperature=-55°C, Supplier Part Number 1=399-5505-1-ND, Tolerance=10%, Voltage=25V, Category="Ceramic Capacitors", ComponentLink1Description=https://datasheet.ciiva.com/22748/1918694-22748309.pdf?src-supplier=Element14, ComponentLink1URL=https://datasheet.ciiva.com/22748/1918694-22748309.pdf?src-supplier=Element14, ComponentLink2Description=https://datasheet.ciiva.com/7842/40889-7842614.pdf?src-supplier=Element14, ComponentLink2URL=https://datasheet.ciiva.com/7842/40889-7842614.pdf?src-supplier=Element14, ComponentLink3Description=https://datasheet.ciiva.com/18193/getdatasheetpartid-385757-18193895.pdf?src-supplier=Verical, ComponentLink3URL=https://datasheet.ciiva.com/18193/getdatasheetpartid-385757-18193895.pdf?src-supplier=Verical, ComponentLink4Description=https://datasheet.ciiva.com/18193/getdatasheetpartid-195812-18193898.pdf?src-supplier=Verical, ComponentLink4URL=https://datasheet.ciiva.com/18193/getdatasheetpartid-195812-18193898.pdf?src-supplier=Verical, Depth=1.25mm, Height=1.25mm, Lead Free="Lead Free", Length=2mm, Mount="Surface Mount", Number of Pins=2, Packaging="Tape and Reel", Pricing 1="1=0.33000, 10=0.22700, 50=0.15880, 100=0.13610, 500=0.10210, 1000=0.08621 (USD)", Radiation Hardening=No, RoHS=Yes, Stock 1=643803, Supplier 1=Digi-Key, Termination=SMD/SMT, Voltage Rating (DC)=25V
C17 C18 C19: library part CMP-001-00010-4, "Chip Capacitor, 2.2 uF, +/-10%, 25 V, 0805 (2012 Metric)", Capacitance=2.2uF, Case Code (Imperial)=0805, Case Code (Metric)=2012, Dielectric=X7R, Dielectric Material=Ceramic, Manufacturer=KEMET, Manufacturer Part Number=C0805C225K3RACTU, Max Operating Temperature=125°C, Min Operating Temperature=-55°C, Supplier Part Number 1=399-11941-1-ND, Tolerance=10%, Voltage=25V, Case/Package=0805, Category="Ceramic Capacitors", ComponentLink1Description=http://www.mouser.com/ds/2/212/KEM_C1002_X7R_SMD-1102033.pdf?src-supplier=Mouser, ComponentLink1URL=http://www.mouser.com/ds/2/212/KEM_C1002_X7R_SMD-1102033.pdf?src-supplier=Mouser, ComponentLink2Description=http://www.farnell.com/datasheets/2741187.pdf?src-supplier=Farnell, ComponentLink2URL=http://www.farnell.com/datasheets/2741187.pdf?src-supplier=Farnell, ComponentLink3Description=http://www.alliedelec.com/m/d/51f554c3dd800f51434b811e71a34895.pdf?src-supplier=Allied+Electronics, ComponentLink3URL=http://www.alliedelec.com/m/d/51f554c3dd800f51434b811e71a34895.pdf?src-supplier=Allied+Electronics, ComponentLink4Description=http://www.kemet.com/docfinder?Partnumber=C0805C225K3RAC7800&src-supplier=Digi-Key, ComponentLink4URL=http://www.kemet.com/docfinder?Partnumber=C0805C225K3RAC7800&src-supplier=Digi-Key, ComponentLink5Description=http://www.kemet.com/Lists/ProductCatalog/Attachments/53/KEM_C1002_X7R_SMD.pdf?src-supplier=Avnet, ComponentLink5URL=http://www.kemet.com/Lists/ProductCatalog/Attachments/53/KEM_C1002_X7R_SMD.pdf?src-supplier=Avnet, ComponentLink6Description=https://api.kemet.com/component-edge/download/datasheet/C0805C225K3RAC7800.pdf?src-supplier=Digi-Key, ComponentLink6URL=https://api.kemet.com/component-edge/download/datasheet/C0805C225K3RAC7800.pdf?src-supplier=Digi-Key, ComponentLink7Description=http://www.farnell.com/datasheets/2112056.pdf?src-supplier=Element14, ComponentLink7URL=http://www.farnell.com/datasheets/2112056.pdf?src-supplier=Element14, ComponentLink8Description=http://www.farnell.com/datasheets/2741187.pdf?src-supplier=Newark, ComponentLink8URL=http://www.farnell.com/datasheets/2741187.pdf?src-supplier=Newark, Depth=1.25mm, Dissipation Factor=10%, Height=1.25mm, Length=0.079inch, Mount="Surface Mount", Packaging="Cut Tape", Pricing 1="1=0.28000, 10=0.19300, 50=0.11600, 100=0.09790, 500=0.06700, 1000=0.05928 (USD)", REACH SVHC="No SVHC", RoHS=Yes, Stock 1=55952, Supplier 1=Digi-Key, Termination=Solder, Thickness=0.055inch, Voltage Rating=25V, Voltage Rating (DC)=25V, Width=0.049inch
C23 C25: library part CMP-001-00010-4, "Chip Capacitor, 1 uF, +/-10%, 25 V, 0805 (2012 Metric)", Capacitor Type=Ceramic, Case/Package=0805, Max Operating Temperature=125°C, Min Operating Temperature=-55°C, Tolerance=10%, Voltage Rating=25V, Mounting Technology=SM, Pins=2, RoHS Compliant=True
C24: library part CMP-001-00010-4, "Chip Capacitor, 0.1 uF, +/-10%, 25 V, 0805 (2012 Metric)", Capacitor Type=Ceramic, Case/Package=0805, Max Operating Temperature=125°C, Min Operating Temperature=-55°C, Tolerance=10%, Voltage Rating=25V, Mounting Technology=SM, Pins=2, RoHS Compliant=True
C37 C38: library part CMP-13271-000075-1, "Cap Ceramic 10uF 35V Y5V -20/+80% SMD 1210 +85°C Embossed T/R", Case Code (Imperial)=1210, Case Code (Metric)=3225, Dielectric=X7R, Manufacturer=Murata, Manufacturer Part Number=GRM32ER71H106KA12L, Max Operating Temperature=125°C, Min Operating Temperature=-55°C, Package Quantity=1000, Supplier Part Number 1=490-6544-1-ND, Tolerance=10%, Voltage=50V, Capacitance=10uF, Case/Package=1210, Category="Ceramic Capacitors", ComponentLink1Description=https://datasheet.ciiva.com/16497/product-16497010.pdf?src-supplier=Future+Electronics, ComponentLink1URL=https://datasheet.ciiva.com/16497/product-16497010.pdf?src-supplier=Future+Electronics, ComponentLink2Description=https://datasheet.ciiva.com/11789/0900766b80ef921d-11789081.pdf?src-supplier=RSComponents, ComponentLink2URL=https://datasheet.ciiva.com/11789/0900766b80ef921d-11789081.pdf?src-supplier=RSComponents, ComponentLink3Description=https://datasheet.ciiva.com/3777/4286grm32er71h106ka1223-3777306.pdf?src-supplier=Arrow+Electronics, ComponentLink3URL=https://datasheet.ciiva.com/3777/4286grm32er71h106ka1223-3777306.pdf?src-supplier=Arrow+Electronics, ComponentLink4Description=https://datasheet.ciiva.com/6270/partnumbering-e-01-6270167.pdf?src-supplier=Digi-Key, ComponentLink4URL=https://datasheet.ciiva.com/6270/partnumbering-e-01-6270167.pdf?src-supplier=Digi-Key, ComponentLink5Description=https://datasheet.ciiva.com/6270/partnumbering-e-01-6270168.pdf?src-supplier=Digi-Key, ComponentLink5URL=https://datasheet.ciiva.com/6270/partnumbering-e-01-6270168.pdf?src-supplier=Digi-Key, ComponentLink6Description=https://datasheet.ciiva.com/6270/partnumbering-e-01-6270169.pdf?src-supplier=Digi-Key, ComponentLink6URL=https://datasheet.ciiva.com/6270/partnumbering-e-01-6270169.pdf?src-supplier=Digi-Key, ComponentLink7Description=https://datasheet.ciiva.com/11607/c02e-11607596.pdf?src-supplier=Avnet, ComponentLink7URL=https://datasheet.ciiva.com/11607/c02e-11607596.pdf?src-supplier=Avnet, ComponentLink8Description=https://datasheet.ciiva.com/46441/1754714-46441340.pdf?src-supplier=Element14, ComponentLink8URL=https://datasheet.ciiva.com/46441/1754714-46441340.pdf?src-supplier=Element14, Depth=2.5mm, Height=2.5mm, Lead Free="Lead Free", Length=3.2mm, Material=Ceramic, Mount="Surface Mount", Packaging="Tape and Reel", Pricing 1="1=1.31000, 10=1.03400, 50=0.89600, 100=0.77540, 500=0.58584 (USD)", Radiation Hardening=No, REACH SVHC="No SVHC", RoHS=Yes, Stock 1=152438, Supplier 1=Digi-Key, Termination=SMD/SMT, Thickness=0.106inch, Voltage Rating=50V, Voltage Rating (DC)=50V, Width=2.5mm
DS1: "Display", Manufacturer_Name=Kingbright, Mouser Part Number=604-DC56-11EWA, Arrow Part Number=DC56-11EWA, Arrow Price/Stock=https://www.arrow.com/en/products/dc56-11ewa/kingbright, Datasheet Link=http://www.us.kingbright.com/images/catalog/SPEC/DC56-11EWA.pdf, Height=8.25mm, Manufacturer_Part_Number=DC56-11EWA, Mouser Price/Stock=https://www.mouser.co.uk/ProductDetail/Kingbright/DC56-11EWA?qs=SO8VdE%2FgosGvL%2FnJcFkMow%3D%3D
F1 F3 F4 F5 F6 F7: library part 046701.5NR, "1.5A 0603 Fuse", Manufacturer_Name=LITTELFUSE, Mouser Part Number=576-046701.5NR, Arrow Part Number=046701.5NR, Arrow Price/Stock=https://www.arrow.com/en/products/046701.5nr/littelfuse, Datasheet Link=https://www.littelfuse.com/~/media/electronics/datasheets/fuses/littelfuse_fuse_467_datasheet.pdf.pdf, Height=0.432mm, Manufacturer_Part_Number=046701.5NR, Mouser Price/Stock=https://www.mouser.com/Search/Refine.aspx?Keyword=576-046701.5NR
F2: library part 0466004.NR, "FUSE BOARD MNT 4A 32VAC/VDC 1206", Case Code (Imperial)=1206, Case Code (Metric)=3216, DC Cold Resistance=14mR, Manufacturer=Littelfuse, Max Operating Temperature=90°C, Min Operating Temperature=-55°C, Package Quantity=5000, Supplier Part Number 1=F1459CT-ND, Voltage Rating=32V, Approvals=UL,CSA, Case/Package=1206, Category=Fuses, ComponentLink1Description=https://datasheet.ciiva.com/16200/littelfuse-fuse-466-16200179.pdf?src-supplier=Future+Electronics, ComponentLink1URL=https://datasheet.ciiva.com/16200/littelfuse-fuse-466-16200179.pdf?src-supplier=Future+Electronics, ComponentLink2Description=https://datasheet.ciiva.com/1549/48294-1549713.pdf?src-supplier=Element14, ComponentLink2URL=https://datasheet.ciiva.com/1549/48294-1549713.pdf?src-supplier=Element14, ComponentLink3Description=https://datasheet.ciiva.com/7991/littelfuse-fuse-466-7991928.pdf?src-supplier=Element14, ComponentLink3URL=https://datasheet.ciiva.com/7991/littelfuse-fuse-466-7991928.pdf?src-supplier=Element14, ComponentLink4Description=https://datasheet.ciiva.com/46394/728615-46394826.pdf?src-supplier=Element14, ComponentLink4URL=https://datasheet.ciiva.com/46394/728615-46394826.pdf?src-supplier=Element14, ComponentLink5Description=https://datasheet.ciiva.com/22713/48294-22713051.pdf?src-supplier=Element14, ComponentLink5URL=https://datasheet.ciiva.com/22713/48294-22713051.pdf?src-supplier=Element14, ComponentLink6Description=https://datasheet.ciiva.com/301/466seriesdrawing-301660.pdf?src-supplier=Digi-Key, ComponentLink6URL=https://datasheet.ciiva.com/301/466seriesdrawing-301660.pdf?src-supplier=Digi-Key, ComponentLink7Description=https://datasheet.ciiva.com/301/466seriesdrawing-301661.pdf?src-supplier=Digi-Key, ComponentLink7URL=https://datasheet.ciiva.com/301/466seriesdrawing-301661.pdf?src-supplier=Digi-Key, ComponentLink8Description=https://datasheet.ciiva.com/301/466seriesdrawing-301662.pdf?src-supplier=Digi-Key, ComponentLink8URL=https://datasheet.ciiva.com/301/466seriesdrawing-301662.pdf?src-supplier=Digi-Key, Current Rating=4A, Depth=1.52mm, Fuse Current=4A, Fuse Type="Board Mount (Cartridge Style Excluded)", Height=0.023inch, Lead Free="Lead Free", Length=3.18mm, Manufacturer Part Number=0466004.NR, Mount="Surface Mount", Packaging="Tape and Reel", Pricing 1="1=0.85000, 5=0.82000, 10=0.76800, 50=0.63520, 100=0.52930, 250=0.51608, 500=0.43668, 1000=0.38376 (USD)", REACH SVHC=Unknown, Resistance=14mR, RoHS=Yes, Stock 1=7288, Supplier 1=Digi-Key, Voltage Rating (AC)=32V, Voltage Rating (DC)=32V, Width=1.52mm
IC1: "Integrated Circuit", Manufacturer_Name=STMicroelectronics, Mouser Part Number=511-STM32F469VGT6, Arrow Part Number=STM32F469VGT6, Arrow Price/Stock=https://www.arrow.com/en/products/stm32f469vgt6/stmicroelectronics, Datasheet Link=http://www.mouser.com/datasheet/2/389/stm32f469ae-956306.pdf, Height=1.6mm, Manufacturer_Part_Number=STM32F469VGT6, Mouser Price/Stock=https://www.mouser.co.uk/ProductDetail/STMicroelectronics/STM32F469VGT6?qs=o7IDWEFmXKBnYVpbRx%2F38g%3D%3D
IC2 IC3: "Integrated Circuit", Arrow Part Number=TLP116A(TPL,E, Manufacturer_Name=Toshiba, Mouser Part Number=757-TLP116A(TPLE, Arrow Price/Stock=https://www.arrow.com/en/products/tlp116a-tple/toshiba, Datasheet Link=https://media.digikey.com/pdf/Data%20Sheets/Toshiba%20PDFs/TLP116A.pdf, Height=2.3mm, Manufacturer_Part_Number=TLP116A(TPL,E, Mouser Price/Stock=https://www.mouser.co.uk/ProductDetail/Toshiba/TLP116ATPLE?qs=HVbQlW5zcXWPuFTVF%252BZ0qw%3D%3D
IC4: "Integrated Circuit", Manufacturer_Name="Texas Instruments", Mouser Part Number=595-SN74AUP1G74DCUR, Arrow Part Number=SN74AUP1G74DCUR, Arrow Price/Stock=https://www.arrow.com/en/products/sn74aup1g74dcur/texas-instruments, Datasheet Link=http://www.ti.com/lit/gpn/sn74aup1g74, Height=0.9mm, Manufacturer_Part_Number=SN74AUP1G74DCUR, Mouser Price/Stock=https://www.mouser.co.uk/ProductDetail/Texas-Instruments/SN74AUP1G74DCUR?qs=7kv20MEVUlht0wF4P3v%252Bhg%3D%3D
J1: "4 Pin Header", Built_By=EMA_UL_Team, Copyright="Copyright (C) 2018 Accelerated Designs. All rights reserved", Manufacturer_Part_Number=TSW-104-07-T-S, RefDes=RefDes, Type=DEV, Vendor="Samtec Inc"
J2 J3: "Nano-Fit Right-Angle Header, Surface Mount, 2.50mm Pitch, Dual Row, 4 Circuits, 0.76µm Tin (Sn) Plating, Black, Glow-Wire Capable", Manufacturer=Molex, ComponentLink2Description=Datasheet, ComponentLink2URL=https://www.molex.com/webdocs/datasheets/pdf/en-us/1054051104_PCB_HEADERS.pdf, Mounting Technology="Surface Mount", Orientation=Right, Part Number=1054051104, Pitch="2.5 mm"